# Altium PCB MainBoard V1.PcbDoc (continued)
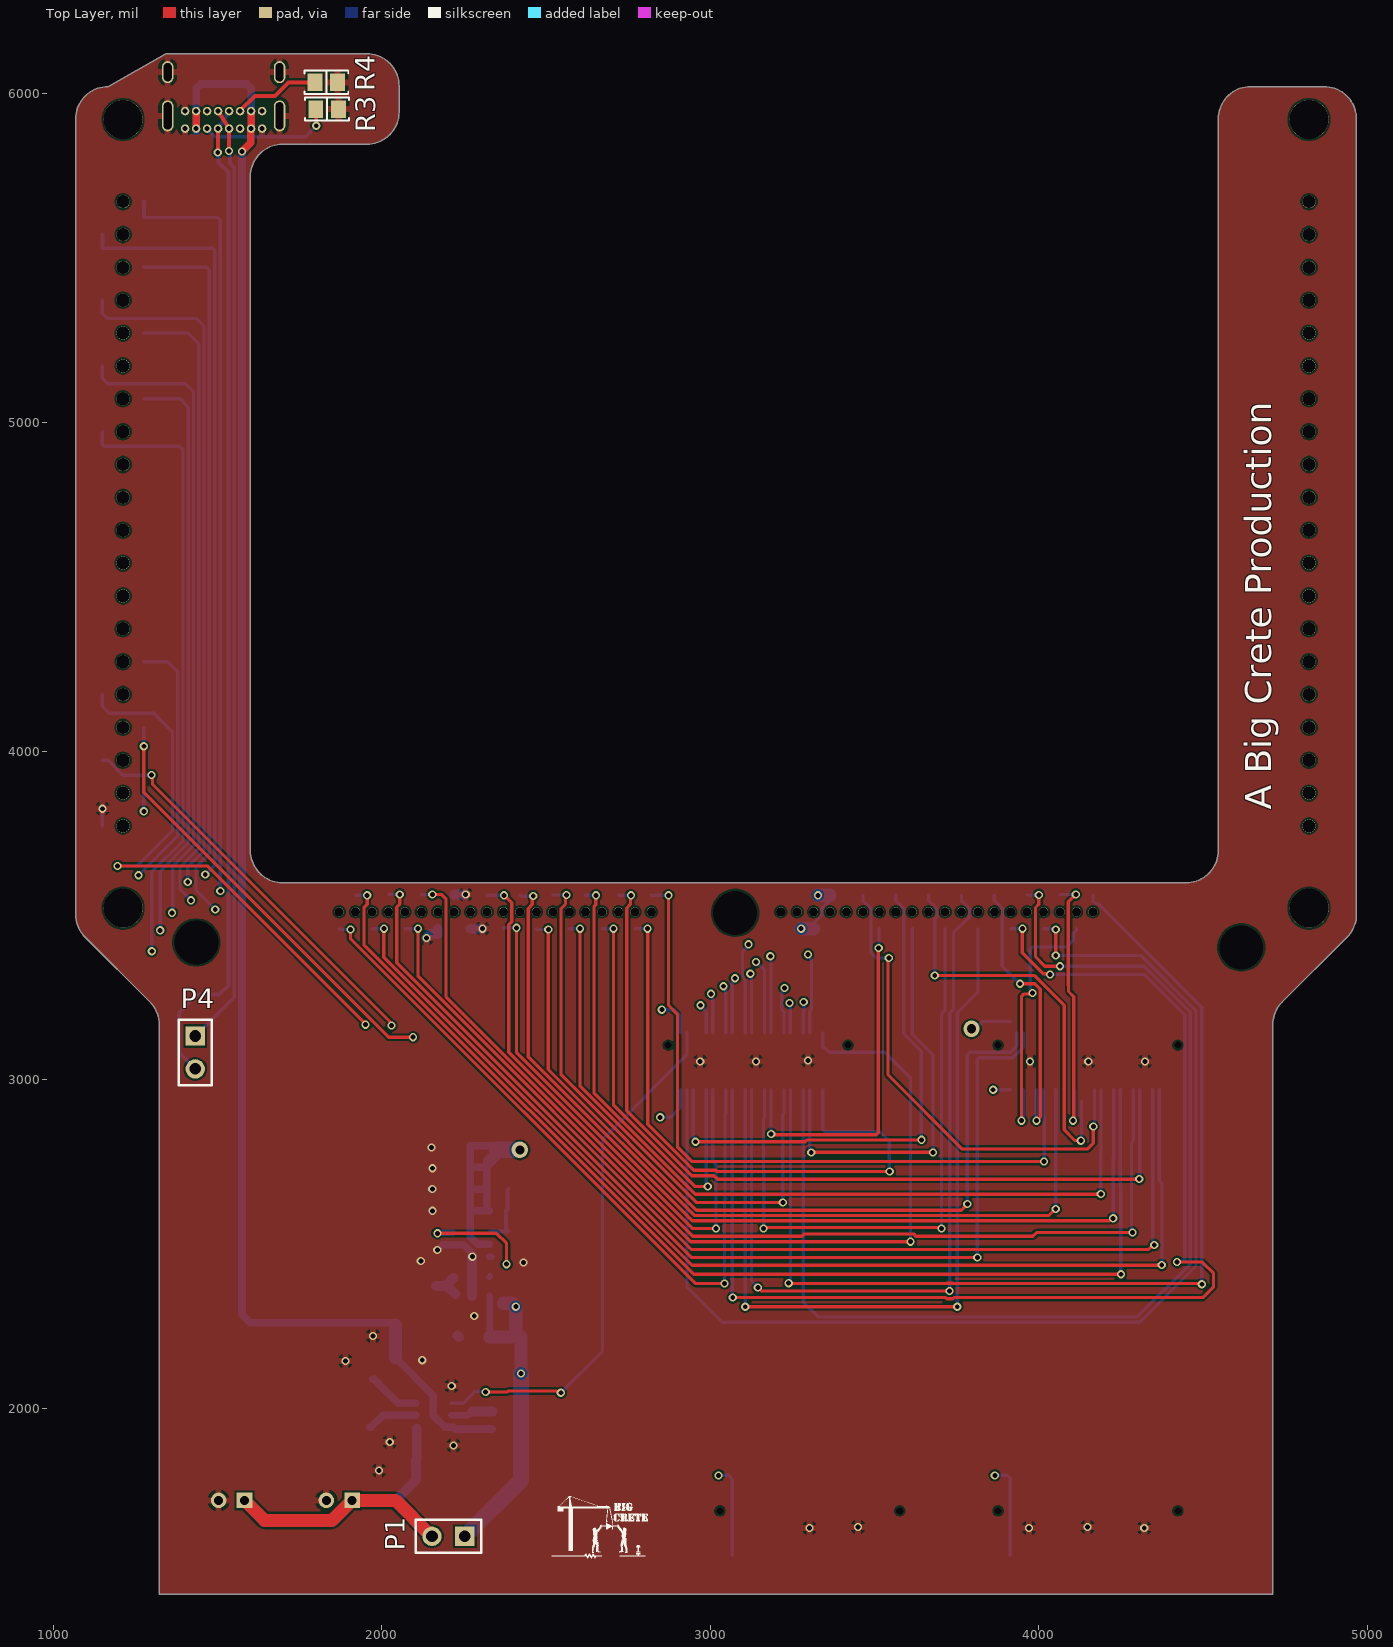
[diagram p0: Top Layer view]
## Footprints (in the part's own frame and the unit in brackets; to place one, negate y for a bottom-side part, rotate by r counter-clockwise, add the part's x,y. Pads: shape width x height; smd on the part's side, far side on the other; paste and mask are expansions set on the pad) (continued)
  silkscreen extent -25.4,-1.27 25.4,3.41, body extent -25.4,-2.27 25.4,2.3, height 7.47
SOT95P280X145-6N [mm] "SOT23, 6-Leads, Body 2.90x2.80mm, Pitch 0.95mm, IPC Medium Density"
  rect 1x0.6 smd: 1(-1.375,0.95) 2(-1.375,0) 3(-1.375,-0.95) 4(1.375,-0.95) 5(1.375,0) 6(1.375,0.95)
  silkscreen extent -1.5,-1.55 0.5,1.92, body extent -1.5,-1.53 1.5,1.53, height 1.45
SOT-23-6_RIT [mil]
  rect 37.5x24 smd paste+0 mask+0: 1(-54.25,37) 2(-54.25,0) 3(-54.25,-37) 4(54.25,-37) 5(54.25,0) 6(54.25,37)
  silkscreen extent -41,-66 41,66, body extent -59,-61 59,61, height 51

## Part data
C1 C2 C9: library part GRM188R61E106KA73J, "CAP CER 10UF 25V X5R 0603", Device Package="0603 (1608 Metric)", Manufacturer="Murata Electronics", Operating Temperature="-55°C ~ 85°C", Supplier Part Number 1=490-GRM188R61E106KA73JCT-ND, Temperature Coefficient=X5R, Tolerance=±10%, Voltage - Rated=25V, Applications="General Purpose", Capacitance="10 µF", ComponentLink1Description=Datasheet, ComponentLink1URL=https://search.murata.co.jp/Ceramy/image/img/A01X/G101/ENG/GRM188R61E106KA73-01A.pdf, ComponentLink2Description="DigiKey Link", ComponentLink2URL=https://www.digikey.com/en/products/detail/murata-electronics/GRM188R61E106KA73J/9887674, LastUpdated="2023-01-03 8:06:37 PM", Lifecycle Status=Active, Minimum Order=1, Mounting Type="Surface Mount, MLCC", Package / Case="0603 (1608 Metric)", Packaging=TapeAndReel, Part Number=GRM188R61E106KA73J, Part Status=Active, PartId=39529, Price=0.04, Series=GRM, Size / Dimension="0.063\" L x 0.031\" W (1.60mm x 0.80mm)", Supplier 1=DigiKey, Thickness (Max)="0.039\" (1.00mm)"
C3 C4 C5 C6 C7: library part CMP-2000-05441-1, "Chip Capacitor, 22 uF, +/- 20%, 10 V, -55 to 85 degC, 0603 (1608 Metric), RoHS, Tape and Reel", Capacitance=22µF, Manufacturer=TDK, Operating Temperature=-55degC~85degC, Package / Case=0603(1608Metric), Package Description="2-Pin Surface Mount Device, Body 1.6 x 0.8 mm", Package Reference=603, PCN Part Number=MLCCPartNumberChange30/Nov/2012, Ratings=-, Standard Package=1, Temperature Coefficient=X5R, Tolerance=±20%, Voltage - Rated=10V, Applications=GeneralPurpose, Category=Capacitors, Datasheet URL=http://download.siliconexpert.com/pdfs/2015/4/21/15/54/45/779/tdk_/manual/37024850441143360mlcc_commercial_general_en.pdf, Datasheet Version=Mar-15, Design Resources=20WNon-IsolatedBuckLEDDriverUsingPLLNK460KG, Family=CeramicCapacitors, Features=-, Height - Seated (Max)=-, Kits=445-9014-KIT-ND-KITMLCC100PF-22UF060310-50V, Lead Spacing=-, Lead Style=-, Manufacturer URL=http://www.tdk.com/, Mounting Type=SurfaceMount,MLCC, Online Catalog=CSeries,GeneralPurpose, Other Names=445-9077-1, Packaging=CutTape(CT), Product Training Modules=CSeriesGeneralApplicationsSEAT,CCV,andTVCLDesignToolsGuidetoReplacinganElectrolyticCapacitorwithanMLCC, RoHS Information=RoHSCertificate-MLCC, Series=C, Size / Dimension="0.063\"Lx0.031\"W(1.60mmx0.80mm)", Thickness (Max)="0.035\"(0.90mm)"
C8 C10: library part C1608X7R1C105K080AC, "CAP CER 1UF 16V X7R 0603", Device Package="0603 (1608 Metric)", Manufacturer="TDK Corporation", Operating Temperature="-55°C ~ 125°C", Supplier Part Number 1=445-1604-1-ND, Temperature Coefficient=X7R, Tolerance=±10%, Voltage - Rated=16V, Applications="General Purpose", Capacitance="1 µF", ComponentLink1Description=Datasheet, ComponentLink1URL=https://product.tdk.com/info/en/catalog/datasheets/mlcc_commercial_general_en.pdf?ref_disty=digikey, ComponentLink2Description="DigiKey Link", ComponentLink2URL=https://www.digikey.com/en/products/detail/tdk-corporation/C1608X7R1C105K080AC/634395, Features="Low ESL", LastUpdated="2023-01-03 8:06:54 PM", Lifecycle Status=Active, Minimum Order=1, Mounting Type="Surface Mount, MLCC", Package / Case="0603 (1608 Metric)", Packaging=TapeAndReel, Part Number=C1608X7R1C105K080AC, Part Status=Active, PartId=36324, Price=0.01, Series=C, Size / Dimension="0.063\" L x 0.031\" W (1.60mm x 0.80mm)", Supplier 1=DigiKey, Thickness (Max)="0.035\" (0.90mm)"
J1: library part CMP-196119-000001-2, "CONN RCPT USB2.0 TYPE C 24POS RA", Contact Material="Copper Alloy", Contact Plating=Gold, Gender=Receptacle, Number of Positions=16, Orientation="Right Angle", USB Standard="USB 2.0"
J6 J7: "M50-3132045", System=Connector
J8 J9: "20 Position Receptacle, Bottom Entry Connector 0.100 (2.54mm) Surface Mount Gold", Package=None, Check_prices=https://www.snapeda.com/parts/SSM-120-L-SV-BE/Samtec/view-part/2796009/?ref=eda, Digi-Key_Part_Number=612-SSM-120-L-SV-BE-K-TR-ND, MF=Samtec, MP=SSM-120-L-SV-BE, Purchase-URL=https://pricing.snapeda.com/search/part/SSM-120-L-SV-BE/?ref=eda, SnapEDA_Link=https://www.snapeda.com/parts/SSM-120-L-SV-BE/Samtec/view-part/2796009/?ref=snap
L1: library part CMP-11268-000073-1, "Inductor Power Shielded Wirewound 2.2uH 20% 1MHz Composite 8.7A 15mOhm DCR Automotive T/R"
P1: library part CMP-002-00141-1, "Header, 2-Pin", Component Type=Standard, Design Item ID="Header 2", LatestRevisionDate=17-Jul-2002, LatestRevisionNote="Re-released for DXP Platform.", Pins=2, Publisher="Altium Limited", Source="Miscellaneous Connectors.SchLib"
P2 P3: library part CMP-1755-00004-1, "Male Header, Pitch 2 mm, 1 x 2 Position, Height 4.8 mm, Tail Length 3.4 mm, -25 to 85 degC, RoHS, Bulk", Capacitance="10 uF", Case\Package=Radial, Max Operating Temperature="85 degC", Min Operating Temperature="-40 degC", Package Quantity=200, Tolerance=20%, Voltage Rating="50 V", ComponentLink1Description=Datasheet, ComponentLink1URL=http://www.jst-mfg.com/product/pdf/eng/ePH.pdf, DatasheetVersion=Dec-12, Diameter="5 mm", Height="11 mm", Lead Pitch="2 mm", Length="11 mm", Mount="Through Hole", PackageDescription="Male Header, Pitch 2 mm, 1 x 2 Position, Height 4.8 mm, Tail Length 3.4 mm", PackageReference=S2B-PH-K-S, Packaging=Bulk, Pins=2, Radiation Hardening=No, REACH SVHC="No SVHC", RoHSCompliant=true, Voltage Rating (DC)="50 V"
P4: "Header, 2-Pin", LatestRevisionDate=17-Jul-2002, LatestRevisionNote="Re-released for DXP Platform.", Publisher="Altium Limited"
R1: library part RC0603FR-07220KL, "RES 220K OHM 1% 1/10W 0603", Device Package="0603 (1608 Metric)", Manufacturer=Yageo, Operating Temperature="-55°C ~ 155°C", Power (Watts)="0.1W, 1/10W", Supplier Device Package=0603, Supplier Part Number 1=311-220KHRCT-ND, Temperature Coefficient=±100ppm/°C, Tolerance=±1%, ComponentLink1Description=Datasheet, ComponentLink1URL=https://www.yageo.com/upload/media/product/productsearch/datasheet/rchip/PYu-RC_Group_51_RoHS_L_10.pdf, ComponentLink2Description="DigiKey Link", ComponentLink2URL=https://www.digikey.com/en/products/detail/yageo/RC0603FR-07220KL/727062, Composition="Thick Film", Features="Moisture Resistant", Height - Seated (Max)="0.022\" (0.55mm)", LastUpdated="2023-01-02 8:29:28 PM", Lifecycle Status=Active, Minimum Order=1, Number of Terminations=2, Package / Case="0603 (1608 Metric)", Packaging=CutTape, Part Number=RC0603FR-07220KL, Part Status=Active, PartId=19015, Price=0.01, Resistance="220 kOhms", Series=RC_L, Size / Dimension="0.063\" L x 0.031\" W (1.60mm x 0.80mm)", Supplier 1=DigiKey
R2: library part RC0603FR-0724K3L, "RES 24.3K OHM 1% 1/10W 0603", Device Package="0603 (1608 Metric)", Manufacturer=Yageo, Operating Temperature="-55°C ~ 155°C", Power (Watts)="0.1W, 1/10W", Supplier Device Package=0603, Supplier Part Number 1=311-24.3KHRCT-ND, Temperature Coefficient=±100ppm/°C, Tolerance=±1%, ComponentLink1Description=Datasheet, ComponentLink1URL=https://www.yageo.com/upload/media/product/productsearch/datasheet/rchip/PYu-RC_Group_51_RoHS_L_10.pdf, ComponentLink2Description="DigiKey Link", ComponentLink2URL=https://www.digikey.com/en/products/detail/yageo/RC0603FR-0724K3L/727078, Composition="Thick Film", Features="Moisture Resistant", Height - Seated (Max)="0.022\" (0.55mm)", LastUpdated="2023-01-02 8:30:16 PM", Lifecycle Status=Active, Minimum Order=1, Number of Terminations=2, Package / Case="0603 (1608 Metric)", Packaging=CutTape, Part Number=RC0603FR-0724K3L, Part Status=Active, PartId=7644, Price=0.01, Resistance="24.3 kOhms", Series=RC_L, Size / Dimension="0.063\" L x 0.031\" W (1.60mm x 0.80mm)", Supplier 1=DigiKey
R3 R4: library part RC0805JR-075K1L, "RES 5.1K OHM 5% 1/8W 0805", Device Package="0805 (2012 Metric)", Manufacturer=Yageo, Operating Temperature="-55°C ~ 155°C", Power (Watts)="0.125W, 1/8W", Supplier Device Package=0805, Supplier Part Number 1=311-5.1KARCT-ND, Temperature Coefficient=±100ppm/°C, Tolerance=±5%, ComponentLink1Description=Datasheet, ComponentLink1URL=https://www.yageo.com/upload/media/product/productsearch/datasheet/rchip/PYu-RC_Group_51_RoHS_L_10.pdf, ComponentLink2Description="DigiKey Link", ComponentLink2URL=https://www.digikey.com/en/products/detail/yageo/RC0805JR-075K1L/728338, Composition="Thick Film", Features="Moisture Resistant", Height - Seated (Max)="0.024\" (0.60mm)", LastUpdated="2023-01-02 8:43:52 PM", Lifecycle Status=Active, Minimum Order=1, Number of Terminations=2, Package / Case="0805 (2012 Metric)", Packaging=CutTape, Part Number=RC0805JR-075K1L, Part Status=Active, PartId=41971, Price=0.01, Resistance="5.1 kOhms", Series=RC_L, Size / Dimension="0.079\" L x 0.049\" W (2.00mm x 1.25mm)", Supplier 1=DigiKey
R5: library part RC0805FR-07110KL, "RES 110K OHM 1% 1/8W 0805", Device Package="0805 (2012 Metric)", Manufacturer=Yageo, Operating Temperature="-55°C ~ 155°C", Power (Watts)="0.125W, 1/8W", Supplier Device Package=0805, Supplier Part Number 1=311-110KCRCT-ND, Temperature Coefficient=±100ppm/°C, Tolerance=±1%, ComponentLink1Description=Datasheet, ComponentLink1URL=https://www.yageo.com/upload/media/product/productsearch/datasheet/rchip/PYu-RC_Group_51_RoHS_L_10.pdf, ComponentLink2Description="DigiKey Link", ComponentLink2URL=https://www.digikey.com/en/products/detail/yageo/RC0805FR-07110KL/727560, Composition="Thick Film", Features="Moisture Resistant", Height - Seated (Max)="0.024\" (0.60mm)", LastUpdated="2023-01-02 8:44:02 PM", Lifecycle Status=Active, Minimum Order=1, Number of Terminations=2, Package / Case="0805 (2012 Metric)", Packaging=CutTape, Part Number=RC0805FR-07110KL, Part Status=Active, PartId=39573, Price=0.01, Resistance="110 kOhms", Series=RC_L, Size / Dimension="0.079\" L x 0.049\" W (2.00mm x 1.25mm)", Supplier 1=DigiKey
R6: library part RC0805FR-1315KL, "RES 15K OHM 1% 1/8W 0805", Device Package="0805 (2012 Metric)", Manufacturer=Yageo, Operating Temperature="-55°C ~ 155°C", Power (Watts)="0.125W, 1/8W", Supplier Device Package=0805, Supplier Part Number 1=13-RC0805FR-1315KLCT-ND, Temperature Coefficient=±100ppm/°C, Tolerance=±1%, ComponentLink1Description=Datasheet, ComponentLink1URL=https://www.yageo.com/upload/media/product/productsearch/datasheet/rchip/PYu-RC_Group_51_RoHS_L_11.pdf, ComponentLink2Description="DigiKey Link", ComponentLink2URL=https://www.digikey.com/en/products/detail/yageo/RC0805FR-1315KL/13694228, Composition="Thick Film", Features="Moisture Resistant", Height - Seated (Max)="0.024\" (0.60mm)", LastUpdated="2023-01-02 8:42:49 PM", Lifecycle Status=Active, Minimum Order=1, Number of Terminations=2, Package / Case="0805 (2012 Metric)", Packaging=CutTape, Part Number=RC0805FR-1315KL, Part Status=Active, PartId=66554, Price=0.01, Resistance="15 kOhms", Series=RC_L, Size / Dimension="0.079\" L x 0.049\" W (2.00mm x 1.25mm)", Supplier 1=DigiKey
TP1 TP2 TP3: library part CMP-1672-00008-1, "Test Point, 1 Position SMD, RoHS, Tape and Reel", Package Quantity=1000, ComponentLink1Description="Manufacturer URL", ComponentLink1URL=http://www.keyelco.com/, ComponentLink2Description=Datasheet, ComponentLink2URL=http://www.keyelco.com/product-pdf.cfm?p=1357, Contact Plating=Silver, DatasheetVersion=03/2014, Mount="Surface Mount", Mounting Technology="Surface Mount", PackageDescription="1-Pin Surface Mount Device, Body 3.81 x 2.03 mm", PackageReference=5019, Packaging="Tape and Reel", Pins=1, RoHSCompliant=True
U1: "No Description Available", Mfr_Name="Richtek Technology", Copyright="Copyright (C) 2023 Ultra Librarian. All rights reserved.", Digi-Key_Part_Number_1=1028-1359-2-ND, Digi-Key_Part_Number_2=1028-1359-1-ND, Digi-Key_Part_Number_3=1028-1359-6-ND, Manufacturer_Part_Number=RT9526AGE, RefDes=RefDes, Type=DEV

## Free pads (board coordinates)
  round 118.11 hole 118.11 unplated: 18(1213.02,3522.01) 18(1213.02,5922.01) 18(4822.02,3522.01) 18(4822.02,5922.01)
  round 60 hole 133.86 unplated: Pad1(4615.77,3402.52) Pad2(3075.77,3507.52) Pad3(1435.77,3417.52)

## Via types
v1: diameter 25, hole 15, Top Layer to Bottom Layer, tented both sides, 142 vias
v2: diameter 50, hole 28, Top Layer to Bottom Layer, tented both sides, 2 vias

## Nets (pads, with @x,y where several pads share a name; then routed paths per layer and width w, separated by ;. In a path a pad name is that pad's centre, name@x,y a point inside that pad or via, vN(x,y) a via of type N, cw(c..) or ccw(c..) an arc to the next point about the centre after c; other vN are vias at no path point)
+5: *.5 C3.2 C4.2 C5.2 C6.2 C7.2 J2.1 J2.50 J3.1 J3.50 J4.1 J4.50 J5.1 J5.50 J8.02 R1.2 TP3.1 | length 1971.6
  Bottom Layer w10: v1(1276.11,3816.59) J8.02 ; v1(2847.34,2885.44) 2880.36,2885.44 2909.12,2914.2 J2.1 ; v1(2852.42,3213.1) 2890.52,3213.1 2909.12,3194.5 J2.50 ; v1(3025.14,1795.78) 3055.62,1795.78 3066.6,1784.8 J4.50 J4.1 ; v2(3794.76,3154.68) 3805.58,3154.68 3827.62,3176.71 J3.50@3912.98,3176.71 ; v1(3860.8,2969.26) 3912.98,2969.26 3913.06,2969.18 J3.1 ; v1(3865.88,1795.78) 3903.98,1795.78 3913.06,1786.7 J5.50 J5.1
  Bottom Layer w23: *.5 2326.96,2498.97 2292.51,2498.97 2269.3,2522.19 C4.2 ; C4.2 R1.2 2327.08,2602.93 2319.21,2610.8 C3.2 ; C4.2 C6.2 ; C6.2 C3.2 ; C6.2 C7.2 ; C7.2 2319.13,2733.04 TP3.1@2319.21,2733.12 ; C7.2 C5.2 2337.43,2799.08 TP3.1 TP3.1@2350.14,2786.38 ; C3.2 TP3.1@2319.21,2733.12 ; TP3.1@2319.21,2733.12 2319.21,2755.46 TP3.1@2350.14,2786.38 ; TP3.1@2319.21,2733.12 2350.14,2764.04 TP3.1@2350.14,2786.38
  Bottom Layer w50: TP3.1@2350.14,2786.38 v2(2420.62,2786.38)
D0: J2.46 J8.13 | length 3692.9
  5V w10: v1(1300.48,3390.9) 1446.02,3245.36 2964.16,3245.36 2967.15,3242.37 2967.15,3229.43 v1(2970.02,3226.56)
  Bottom Layer w10: J8.13 1149.93,4933.46 1155.79,4927.6 1384.3,4927.6 1395.51,4916.39 1395.51,3727.23 1300.48,3632.2 v1(1300.48,3390.9) ; v1(2970.02,3226.56) 2987.78,3208.8 2987.78,3142.42 J2.46
D1: J2.45 J8.14 | length 3690.2
  5V w10: v1(1325.88,3454.4) 1325.88,3388.13 1452.65,3261.36 v1(3002.28,3261.36)
  Bottom Layer w10: J8.14 1386.48,5072.01 1411.51,5046.98 1411.51,3720.37 1325.88,3634.74 v1(1325.88,3454.4) ; v1(3002.28,3261.36) 3002.28,3257.3 3007.47,3252.11 3007.47,3142.42 J2.45
D2: J2.43 J8.15 | length 3941.7
  5V w10: v1(1361.44,3507.74) 1358.57,3504.87 1358.57,3495.11 1357.84,3494.38 1357.84,3378.79 1451.77,3284.86 3039.74,3284.86 v1(3040.38,3284.22)
  Bottom Layer w10: J8.15 1149.93,5134.03 1165.86,5118.1 1402.11,5118.1 1427.51,5092.7 1427.51,3713.51 1363.98,3649.98 1363.98,3510.28 v1(1361.44,3507.74) ; v1(3040.38,3284.22) 3040.38,3280.16 3046.92,3273.62 J2.43
D3: J2.42 J8.16 | length 3835.6
  5V w10: v1(1419.86,3545.84) 1656.08,3309.62 3073.96,3309.62 v1(3075,3308.58)
  Bottom Layer w10: J8.16 1411.52,5272.01 1443.51,5240.02 1443.51,3703.88 1386.2,3646.57 1386.2,3579.5 v1(1419.86,3545.84) ; J2.42 3066.6,3296.12 3075,3304.52 v1(3075,3308.58)
D4: J2.40 J8.17 | length 4225.9
  5V w10: v1(1409.7,3601.72) 1409.7,3637.28 1420.5,3648.08 1472.77,3648.08 1736.77,3384.08 3078.19,3384.08 3091.49,3397.38 3098.04,3397.38 3112.52,3411.86 v1(3116.58,3411.86)
  Bottom Layer w10: J8.17 1149.93,5332.15 1165.86,5316.22 1436.65,5316.22 1459.51,5293.36 1459.51,3697.25 1409.7,3647.44 v1(1409.7,3601.72) ; J2.40 3105.97,3304.77 3098.16,3312.59 3098.16,3391.39 3116.58,3409.81 v1(3116.58,3411.86)
D5: J2.39 J8.18 | length 4081.7
  5V w10: v1(1493.52,3517.9) 1680.05,3331.37 1796.28,3331.37 1798.03,3333.12 3090.75,3333.12 3098.68,3325.19 3118.79,3325.19 v1(3121.66,3322.32)
  Bottom Layer w10: J8.18 1467.04,5472.01 1475.51,5463.54 1475.51,3687.85 1435.1,3647.44 1435.1,3576.32 v1(1493.52,3517.9) ; v1(3121.66,3322.32) 3121.66,3318.26 3125.66,3314.26 J2.39
D6: J2.37 J8.19 | length 4340.6
  5V w10: v1(1463.04,3624.58) 1463.04,3589.02 1485.3,3566.76 1485.3,3564.13 1499.07,3550.37 1501.69,3550.37 1702.89,3349.17 3088.53,3349.17 3097.25,3357.88 v1(3139.44,3357.88)
  Bottom Layer w10: 1149.93,5530.27 1485.65,5530.27 1491.51,5524.41 1491.51,3652 1464.09,3624.58 v1(1463.04,3624.58) ; v1(3139.44,3357.88) 3165.03,3332.29 J2.37
  Bottom Layer w12: 1149.93,5530.27 J8.19
D7: J2.36 J8.20 | length 4328.4
  5V w10: v1(1508.8,3573.87) 1508.8,3571.24 1700.28,3379.76 1711.96,3368.08 3084.82,3368.08 3098.12,3381.38 3149.17,3381.38 3154.89,3375.66 v1(3182.62,3375.66)
  Bottom Layer w10: 1276.11,5625.07 1277.62,5623.56 1501.65,5623.56 1508.8,5616.41 v1(1508.8,3573.87) ; v1(3182.62,3375.66) 3184.64,3373.64 3184.64,3142.42 J2.36
  Bottom Layer w12: 1276.11,5625.07 J8.20
D+: J1.A6 J1.B6 P4.2 | length 3061
  Top Layer w12: v1(1501.14,5821.68) 1501.14,5891.71 1502.19,5892.75 J1.A6
  Bottom Layer w12: P4.2 1382.56,3082.76 1382.56,3203.74 1437.78,3258.96 1505.5,3258.96 1533.3,3286.76 1533.3,5761.58 1503.63,5791.25 1503.63,5819.19 v1(1501.14,5821.68) ; J1.A6 J1.B6
D-: J1.A7 J1.B7 P4.1 | length 2880.1
  Top Layer w12: J1.B7 J1.A7 v1(1535.65,5825.71)
  Bottom Layer w12: P4.1 1551.3,3251.5 1551.3,5775.96 1538.14,5789.12 1538.14,5823.22 v1(1535.65,5825.71)
GND: *.2 C1.2 C2.2 C4.1 C5.1 C6.1 C7.1 C8.1 C9.1 C10.1 J1.1 J1.2 J1.3 J1.4 J1.A1 J1.A12 J1.B1 J1.B12 J2.4 J2.10 J2.16 J2.22 J2.29 J2.35 J2.41 J2.47 J3.4 J3.10 J3.16 J3.22 J3.29 J3.35 J3.41 J3.47 J4.4 J4.10 J4.16 J4.22 J4.29 J4.35 J4.41 J4.47 J5.4 J5.10 J5.16 J5.22 J5.29 J5.35 J5.41 J5.47 J6.7 J6.8 J6.9 J7.1 J8.01 P2.2 P3.2 R2.1 R3.2 R4.2 R5.2 R6.2 U1.2 | length 564.8
  Bottom Layer w10: J8.01 v1(1149.93,3824.55)
  Bottom Layer w20: U1.2 2262.54,1978.66 2273.87,1989.99 C8.1
  Bottom Layer w22: v1(2169.16,2481.58) 2169.97,2481.58 2186.24,2497.85 2218.2,2497.85 *.2 2219.82,2497.85 2249.41,2497.85 2275.27,2471.99 2275.27,2461.83 v1(2275.84,2461.26)
  Bottom Layer w30: v1(2136.14,3431.54) 2147.52,3442.92 2170.24,3442.92 2170.67,3443.35 J6.7 ; J6.8 2220.67,3563.19 2221.1,3563.62 v1(2255.52,3563.62) ; J6.9 2270.73,3459.48 v1(2306.32,3459.48) ; C1.2 C2.2 2275.3,2460.72 v1(2275.84,2461.26) ; C8.1 C9.1
  other v1: 3302,1635.76 3970.02,1635.76 4320.54,1635.76 3449.32,1638.3 4147.82,1638.3 1991.36,1811.02 2218.9,1886.37 2024.38,1897.38 2212.97,2067.56 1889.76,2143.76 2123.44,2146.3 1973.58,2219.96 2281.55,2280.92 2431.41,2443.48 2118.99,2448.56 2154.55,2600.96 2153.92,2667 2154.55,2730.5 2151.38,2794 2969.26,3055.62 3139.44,3055.62 3972.56,3055.62 4150.36,3055.62 4323.08,3055.62 3296.92,3058.16
HS0: J3.49 J6.14 | length 2667.1
  Top Layer w10: v1(2562.16,3561.78) 2559.29,3558.91 2559.29,3534.29 2545.89,3520.89 2545.89,3014.64 2957.67,2602.86 3763.64,2602.86 v1(3782.06,2621.28)
  Bottom Layer w10: J6.14@2521.37,3561.08 J6.14 v1(2562.16,3561.78) ; v1(3782.06,2621.28) 3782.06,3075.94 3789.23,3083.11 3913.68,3083.11 3932.67,3102.1 J3.49 J3.49
HS1: J3.48 J6.4 | length 3185.7
  Top Layer w10: v1(2054.86,3563.62) 2054.86,3534.43 2045.89,3525.46 2045.89,3356.24 2943.41,2458.72 v1(3812.54,2458.72)
  Bottom Layer w10: J6.4 2022.51,3563.62 v1(2054.86,3563.62) ; v1(3812.54,2458.72) 3812.54,3061.26 3818.4,3067.11 3920.31,3067.11 3952.35,3099.16 J3.48 J3.48
HS2: J3.24 J6.3 | length 3415.7
  Top Layer w10: v1(2006.6,3459.48) 2006.6,3372.91 2944.29,2435.22 4370.7,2435.22 4371.34,2435.86 v1(4373.88,2435.86)
  Bottom Layer w10: J6.3 1970.73,3459.48 v1(2006.6,3459.48) ; J3.24@4365.9,2969.04 J3.24 4365.82,2693.16 4374.52,2684.45 4374.52,2436.5 v1(4373.88,2435.86)
HS3: J3.23 J6.5 | length 3249.8
  Top Layer w10: v1(2110.74,3459.48) 2110.74,3314.02 2941.28,2483.48 4333.62,2483.48 4346.96,2496.82 v1(4351.02,2496.82)
  Bottom Layer w10: J6.5 2070.73,3459.48 v1(2110.74,3459.48) ; J3.23@4346.21,2969.04 J3.23 4346.13,2505.77 4351.02,2500.88 v1(4351.02,2496.82)
HS4: J3.21 J6.18 | length 2617.4
  Top Layer w10: v1(2758.44,3561.08) 2757.07,3559.71 2757.07,3533.58 2745.89,3522.4 2745.89,2905.14 2943.39,2707.64 3011.24,2707.64 3022.04,2696.84 4304.66,2696.84 v1(4305.3,2697.48)
  Bottom Layer w10: J6.18 2721.37,3561.08 v1(2758.44,3561.08) ; v1(4305.3,2697.48) 4306.76,2698.94 J3.21
HS5: J2.28 J6.6 | length 2946.6
  Top Layer w10: v1(2153.92,3563.62) 2180.9,3563.62 2195.89,3548.63 2195.89,3251.5 2940.41,2506.98 v1(3609.34,2506.98)
  Bottom Layer w10: J6.6 2122.51,3563.62 v1(2153.92,3563.62) ; J2.28 3342.27,3142.26 3342.27,3102.1 3361.26,3083.11 3531.05,3083.11 3609.34,3004.82 v1(3609.34,2506.98)
LCD_CD: J2.33 J8.04 | length 2650.1
  Top Layer w10: v1(1276.11,4014.71) 1276.11,3875.01 2021.84,3129.28 v1(2095.5,3129.28)
  5V w10: v1(2095.5,3129.28) 3208.02,3129.28 3243.77,3165.03 3243.77,3230.69 v1(3241.04,3233.42)
  Bottom Layer w10: v1(1276.11,4014.71) J8.04 ; v1(3241.04,3233.42) 3243.69,3230.77 3243.69,3142.42 J2.33
LCD_CS: J2.34 J8.03 | length 2661
  Top Layer w10: v1(1299.61,3926.84) 1302.48,3923.97 1302.48,3899.44 2029.46,3172.46 v1(2029.46,3164.84)
  5V w10: v1(2029.46,3164.84) 3182.62,3164.84 3204.21,3186.43 3204.21,3257.55 v1(3225.8,3279.14)
  Bottom Layer w10: J8.03 1167.35,3972.01 1212.53,3926.84 v1(1299.61,3926.84) ; J2.34 3224.08,3206.62 3217.54,3213.17 3217.54,3266.82 3225.8,3275.08 v1(3225.8,3279.14)
LCD_RD: J2.30 J8.06 | length 3231.2
  5V w10: v1(1259.84,3622.04) 1346.2,3622.04 1388.24,3664.08 1483.36,3664.08 1747.36,3400.08 3071.57,3400.08 3106.85,3435.36 3181.34,3435.36 3235.96,3380.74 v1(3296.92,3380.74)
  Bottom Layer w10: v1(1259.84,3622.04) 1379.51,3741.71 1379.51,4241.8 1349.3,4272.01 J8.06 ; v1(3296.92,3380.74) 3296.92,3376.68 3307.72,3365.88 3307.72,3213.61 3302.82,3208.72 J2.30
LCD_WR: J2.31 J8.05 | length 3515.1
  Top Layer w10: v1(1196.34,3649.98) 1470.87,3649.98 1950.61,3170.24 v1(1950.61,3167.27)
  5V w10: v1(1950.61,3167.27) 2087.67,3030.22 3334.24,3030.22 3340.1,3036.08 3340.1,3098.8 3284.22,3154.68 v1(3284.22,3235.96)
  Bottom Layer w10: J8.05 1149.93,4135.81 1170.94,4114.8 1306.46,4114.8 1363.51,4057.75 1363.51,3758.73 1254.76,3649.98 v1(1196.34,3649.98) ; J2.31 3283.14,3202.29 3284.22,3203.37 v1(3284.22,3235.96)
LS0: J2.18 J7.20 | length 3176.1
  Top Layer w10: v1(3238.5,2380.62) 3239.14,2379.98 3718.35,2379.98 3718.99,2380.62 3738.45,2380.62 3739.09,2379.98 4493.26,2379.98 v1(4495.8,2377.44)
  Bottom Layer w10: v1(3238.5,2380.62) 3238.5,2384.04 3244.22,2389.76 3244.22,2775.5 3243.77,2775.95 J2.18 ; J7.20 4164.37,3544.85 4173.94,3535.28 4181.24,3535.28 4495.8,3220.72 v1(4495.8,2377.44)
LS1: J2.20 J7.16 | length 3443.6
  Top Layer w10: v1(3999.8,3561.78) 3999.8,3534.13 3989.59,3523.92 3989.59,3373.87 4018.28,3345.18 v1(4064,3345.18)
  Bottom Layer w10: J2.20 3283.14,2322.64 3327.92,2277.86 3740.9,2277.86 3768.81,2277.86 4299.7,2277.86 4460.24,2438.4 4460.24,3088.78 4460.73,3089.27 4460.73,3120.61 4460.24,3121.1 4460.24,3204.72 4319.78,3345.18 v1(4064,3345.18) ; J7.16 v1(3999.8,3561.78)
LS2: J2.21 J7.9 | length 1269.9
  Top Layer w10: v1(3307.08,2778.76) v1(3677.92,2778.76)
  Bottom Layer w10: J2.21 3302.82,2787.07 3307.08,2782.82 v1(3307.08,2778.76) ; J7.9 3614.37,3137.61 3677.92,3074.07 v1(3677.92,2778.76)
LS3: J2.23 J6.19 | length 1861.1
  Top Layer w10: v1(2809.24,3459.48) 2809.24,2864.42 2948.98,2724.68 3016.83,2724.68 3021.16,2720.34 v1(3545.84,2720.34)
  Bottom Layer w10: J6.19 2770.73,3459.48 v1(2809.24,3459.48) ; J2.23 3342.19,2848.12 3348.05,2842.26 3515.36,2842.26 3544.24,2813.38 3544.24,2721.94 v1(3545.84,2720.34)
LS4: J3.20 J6.10 | length 3120.5
  Top Layer w10: v1(2372.36,3561.08) 2395.45,3537.99 2395.45,3480.24 2386.96,3471.75 2386.96,3083.06 2946.16,2523.86 3279.3,2523.86 3285.92,2530.48 3619.07,2530.48 3625.69,2523.86 3981.72,2523.86 3992.78,2534.92 v1(4284.98,2534.92)
  Bottom Layer w10: J6.10 2321.37,3561.08 v1(2372.36,3561.08) ; v1(4284.98,2534.92) 4284.98,2538.98 4281.8,2542.16 4281.8,2808.65 4287.08,2813.92 J3.20
LS5: J3.3 J7.19 | length 829.2
  Top Layer w10: v1(3947.16,2875.28) 3947.16,3253.74 3954.45,3261.03 3977.31,3261.03 v1(3980.18,3263.9)
  Bottom Layer w10: v1(3947.16,2875.28) 3947.16,2879.34 3952.43,2884.61 J3.3 ; v1(3980.18,3263.9) 3980.18,3267.96 3973.94,3274.2 3973.94,3397.74 3979.8,3403.6 4084.32,3403.6 4104.8,3424.08 4104.8,3427.06 4104.8,3445.35 4114.37,3454.91 J7.19
LS6: J3.5 J7.14 | length 870.3
  Top Layer w10: v1(3942.08,3291.84) 3987.39,3291.84 4003.68,3275.55 4003.68,2886.08 v1(3992.88,2875.28)
  Bottom Layer w10: J7.14 3864.37,3544.85 3873.94,3535.28 3874.73,3535.28 3889.15,3520.86 3889.15,3495.82 3888.8,3495.47 3888.8,3345.12 v1(3942.08,3291.84) ; J3.5 3991.8,2876.36 v1(3992.88,2875.28)
LS7: J3.6 J6.20 | length 2183.6
  Top Layer w10: v1(2872.74,3561.08) 2872.74,3226.01 2900.04,3198.71 2900.04,2796.25 2945.47,2750.82 v1(4015.74,2750.82)
  Bottom Layer w10: J6.20 2821.37,3561.08 v1(2872.74,3561.08) ; J3.6 4011.49,2889.91 4016.38,2885.01 4016.38,2751.46 v1(4015.74,2750.82)
LS8: J3.8 J6.13 | length 2562.8
  Top Layer w10: v1(2506.98,3456.94) 2506.98,3030.92 2951.04,2586.86 4030.7,2586.86 4049.88,2606.04 v1(4051.3,2606.04)
  Bottom Layer w10: J6.13 2473.15,3456.94 v1(2506.98,3456.94) ; J3.8 4050.86,2774.12 4051.3,2773.67 v1(4051.3,2606.04)
LS9: J3.18 J6.2 | length 3470.5
  Top Layer w10: v1(1955.8,3561.08) 1955.75,3561.03 1955.75,3533.58 1945.89,3523.72 1945.89,3410.99 2948.96,2407.92 v1(4249.42,2407.92)
  Bottom Layer w10: J6.2@1920.67,3561.78 1921.37,3561.08 v1(1955.8,3561.08) ; J3.18 4247.71,2675.69 4249.42,2673.98 v1(4249.42,2407.92)
LS10: J3.11 J7.18 | length 850.4
  Top Layer w10: v1(4104,2875.28) 4106.1,2877.38 4106.1,3252.28 4090.04,3268.34 4090.04,3286.33 4089.59,3286.78 4089.59,3540.95 v1(4112.26,3563.62)
  Bottom Layer w10: J7.18 4066.21,3563.62 v1(4112.26,3563.62) ; v1(4104,2875.28) 4106.87,2878.15 4106.87,2885.6 4109.91,2888.64 J3.11
LS11: J3.12 J7.10 | length 1253.6
  Top Layer w10: v1(3683,3317.24) 3985.3,3317.24 4076.7,3225.84 4076.7,2847.34 4109.16,2814.88 4126.94,2814.88 v1(4127.5,2814.32)
  Bottom Layer w10: J7.10 3664.37,3544.85 3673.94,3535.28 3674.73,3535.28 3689.15,3520.86 3689.15,3495.82 3683,3489.67 v1(3683,3317.24) ; v1(4127.5,2814.32) 4129.52,2816.34 J3.12@4129.52,2934.74
LS12: J3.14@4168.97,2969.11 J7.6 | length 1493.3
  Top Layer w10: v1(3543.3,3370.58) 3540.76,3368.04 3540.76,3014.98 3766.82,2788.92 4147.82,2788.92 4165.6,2806.7 v1(4165.6,2857.5)
  Bottom Layer w10: J7.6 3464.37,3544.85 3473.94,3535.28 3474.73,3535.28 3489.15,3520.86 3489.15,3495.82 3488.8,3495.47 3488.8,3386.98 3505.2,3370.58 v1(3543.3,3370.58) ; v1(4165.6,2857.5) 4165.6,2861.56 4168.97,2864.93 J3.14@4168.97,2969.11
LS13: J3.15 J6.16 | length 2623.5
  Top Layer w10: v1(2651.76,3561.08) 2651.76,3531.61 2645.89,3525.74 2645.89,2959.89 2954.66,2651.12 4187.82,2651.12 v1(4188.46,2651.76)
  Bottom Layer w10: J6.16 2621.37,3561.08 v1(2651.76,3561.08) ; v1(4188.46,2651.76) 4188.46,2774.56 4189.1,2775.2 4189.1,2891.07 4188.65,2891.52 J3.15
LS14: J3.17 J6.12 | length 2918.9
  Top Layer w10: v1(2461.26,3558.54) 2458.39,3555.67 2458.39,3533.36 2445.89,3520.86 2445.89,3069.38 2944.41,2570.86 4214.62,2570.86 4221.86,2578.1 v1(4225.92,2578.1)
  Bottom Layer w10: J6.12 2423.91,3558.54 v1(2461.26,3558.54) ; v1(4225.92,2578.1) 4226.56,2578.74 4226.56,2759.2 4228.02,2760.66 J3.17
Net*_1: *.1 L1.1 TP2.1 | length 111.5
  Bottom Layer w30: TP2.1 TP2.1@2194.05,2372.36 ; TP2.1@2219.01,2397.32 TP2.1@2194.05,2372.36 ; TP2.1@2224.52,2347.4 2199.56,2372.36 TP2.1@2194.05,2372.36 ; L1.1@2230.61,2221.71 L1.1
Net*_4: *.4 C3.1 R1.1 R2.2 | length 193.3
  Bottom Layer w12: *.4 2329.34,2538.13 2383.63,2538.13 R2.2 2378.27,2547.62 R1.1 2382.2,2604.9 2382.2,2663.06 C3.1
NetJ1_A5: J1.A5 R3.1 | length 408.6
  Top Layer w12: R3.1 1800.86,5952.33 v1(1800.86,5902.96)
  Bottom Layer w12: J1.A5 1468.72,5892.75 1491.92,5869.56 1767.46,5869.56 v1(1800.86,5902.96)
NetJ1_B5: J1.B5 R4.1 | length 265
  Top Layer w12: J1.B5 1569.12,5949.11 1613.9,5993.89 1674.85,5993.89 1716,6035.04 R4.1
NetR5_1: R5.1 U1.6 | length 160.5
  Bottom Layer w23: R5.1 1977.52,2088.99 1988.65,2077.85 1988.65,2076.88 2049.87,2015.66 U1.6
NetR6_1: R6.1 U1.5 | length 154.9
  Bottom Layer w23: R6.1 1967.36,1941.99 2004.03,1978.66 U1.5
PG: J2.49 U1.1 | length 1606
  Top Layer w10: v1(2316.48,2049.78) 2382.52,2049.78 2385.06,2052.32 2531.72,2052.32 2533.93,2050.11 2542.21,2050.11 v1(2545.08,2047.24)
  Bottom Layer w10: U1.1 2248.55,2015.66 2283.98,2051.09 2315.17,2051.09 v1(2316.48,2049.78) ; v1(2545.08,2047.24) 2672.08,2174.24 2672.08,2819.4 2928.81,3076.13 J2.49 J2.49@2928.73,3142.42
SWH0: J2.17 J6.15 | length 1620.9
  Top Layer w10: v1(2603.5,3459.48) 2603.5,2979.65 2956.79,2626.36 v1(3220.72,2626.36)
  Bottom Layer w10: J6.15 2570.73,3459.48 v1(2603.5,3459.48) ; v1(3220.72,2626.36) 3220.72,2763.51 3220.08,2764.15 3220.08,2894.37 3224.08,2898.38 J2.17
SWH1: J2.15 J7.7 | length 1086.5
  Top Layer w10: v1(3185.16,2834.64) 3187.7,2832.1 3504.62,2832.1 3511.24,2838.72 3511.24,3399.99 v1(3512.3,3401.06)
  Bottom Layer w10: J2.15 3184.71,2835.09 v1(3185.16,2834.64) ; v1(3512.3,3401.06) 3513.34,3402.09 3513.34,3458.38 J7.7
SWH2: J2.14@3165.03,2969.11 J7.11 | length 1883.3
  Top Layer w10: v1(3162.3,2547.36) 3164.97,2550.03 3700.65,2550.03 v1(3703.32,2547.36)
  Bottom Layer w10: v1(3162.3,2547.36) 3162.3,2718.58 3161.66,2719.22 3161.66,2878.18 3165.03,2881.55 J2.14@3165.03,2969.11 ; v1(3703.32,2547.36) 3703.32,3199.93 3714.37,3210.99 J7.11
SWH3: J2.12 J7.12 | length 2441.8
  Top Layer w10: v1(3144.52,2367.28) 3154.68,2357.12 v1(3728.08,2357.12)
  Bottom Layer w10: J2.12@3125.74,2969.04 J2.12 3125.66,2387.31 3144.52,2368.45 v1(3144.52,2367.28) ; v1@3730.62,2354.58 v1(3728.08,2357.12) 3728.72,2357.76 3728.72,3202.71 3739.94,3213.92 3739.94,3446.6 3789.15,3495.82 3789.15,3520.86 3774.73,3535.28 3773.94,3535.28 3764.37,3544.85 J7.12
SWH4: J2.11 J7.13 | length 2482.2
  Top Layer w10: v1(3106.42,2308.86) v1(3751.58,2308.86)
  Bottom Layer w10: J2.11 3105.97,2625.53 3106.42,2625.08 v1(3106.42,2308.86) ; v1(3751.58,2308.86) 3751.58,3202.94 3814.37,3265.73 J7.13
SWH5: J2.9 J7.15 | length 3733.1
  Top Layer w10: v1(3068.32,2336.8) 3715.81,2336.8 3718.99,2333.62 3738.45,2333.62 3741.63,2336.8 4498.34,2336.8 4531.36,2369.82 4531.36,2410.46 4496.79,2445.03 v1(4420.59,2445.03) ; v1(3949.64,3459.42) 3949.64,3385.65 4012.64,3322.65 4030.65,3322.65 v1(4033.52,3319.78)
  Bottom Layer w10: J2.9 3066.68,2969.04 3066.68,2338.44 v1(3068.32,2336.8) ; J7.15 v1(3949.64,3459.42) ; v1(4033.52,3319.78) 4322.55,3319.78 4444.24,3198.09 4444.24,3114.47 4444.73,3113.98 4444.73,3095.9 4444.24,3095.41 4444.24,2450.89 4441.25,2447.9 4423.46,2447.9 v1(4420.59,2445.03)
SWL0: J2.2 J7.17 | length 3654
  Top Layer w10: v1(4051.3,3378.2) v1(4051.3,3456.94)
  Bottom Layer w10: J2.2 2928.81,2369.63 3036.58,2261.86 4306.56,2261.86 4478.02,2433.32 4478.02,3209.8 4309.62,3378.2 v1(4051.3,3378.2) ; J7.17 4048.82,3459.42 v1(4051.3,3456.94)
SWL1: J2.3 J7.8 | length 1628.6
  Top Layer w10: v1(2954.66,2811.14) 3288.54,2811.14 3293.5,2816.1 3641.6,2816.1 v1(3642.36,2816.86)
  Bottom Layer w10: J2.3 2948.49,2821.37 2954.66,2815.2 v1(2954.66,2811.14) ; J7.8 3564.37,3544.85 3573.94,3535.28 3574.73,3535.28 3589.15,3520.86 3589.15,3495.82 3588.8,3495.47 3588.8,3140.55 3642.36,3087 v1(3642.36,2816.86)
SWL2: J2.5 J6.17 | length 1256.9
  Top Layer w10: v1(2705.1,3459.48) 2705.1,2923.31 2953.79,2674.62 v1(2992.12,2674.62)
  Bottom Layer w10: J6.17 2670.73,3459.48 v1(2705.1,3459.48) ; J2.5 2987.86,2682.94 2992.12,2678.68 v1(2992.12,2674.62)
SWL3: J2.6 J6.11 | length 1675.2
  Top Layer w10: v1(2410.46,3462.02) 2410.46,3082.18 2945.28,2547.36 v1(3017.52,2547.36)
  Bottom Layer w10: J6.11 2373.27,3462.02 v1(2410.46,3462.02) ; J2.6 3007.55,2751.73 3017.52,2741.76 v1(3017.52,2547.36)
SWL4: J2.8 J6.1 | length 2229.1
  Top Layer w10: v1(1905,3456.94) 1905,3429.25 2954.27,2379.98 v1(3043.1,2379.98)
  Bottom Layer w10: J6.1@1870.67,3459.42 1873.15,3456.94 v1(1905,3456.94) ; v1(3043.1,2379.98) 3043.1,2633.36 3048,2638.26 3044.82,2641.44 3044.82,2892.78 3046.92,2894.88 J2.8
USB_5V: C8.2 C9.2 J1.A4 J1.A9 J1.B4 J1.B9 U1.3 | length 5160.2
  Top Layer w23: J1.A4 J1.B9 ; v1(1574.8,5824.22) 1602.09,5851.51 1602.09,5893.86 J1.A9 J1.B4
  Bottom Layer w23: J1.A4@1435.75,5884.48 1435.75,5893.86 J1.A4 J1.B9 1435.26,6016.49 1448.73,6029.96 1589.11,6029.96 1602.58,6016.49 J1.B4 J1.A9 ; v1(1574.8,5824.22) 1574.8,2286 1600.2,2260.6 2034.54,2260.6 2042.16,2252.98 ; 2042.16,2153.92 2157.37,2038.71 2157.37,1977.41 2192.62,1942.16 2217.87,1942.16 2223.18,1936.85 C8.2 C9.2 C9.2@2336.31,1937.34
  Bottom Layer w40: 2042.16,2153.92 2042.16,2252.98
Vbatt: *.3 *.6 C1.1 C2.1 J7.3 J7.4 L1.2 P1.1 TP1.1 | length 1588.4
  Top Layer w10: v1(2169.8,2532.38) 2349.21,2532.38 2379.98,2501.61 v1(2379.98,2438.4)
  Bottom Layer w10: v1(2169.8,2532.38) v1@2171.64,2534.22 ; *.3@2217.17,2534.22 *.3 ; J7.3 3314.37,3476.35 3323.94,3485.91 3324.73,3485.91 3339.37,3500.55 3339.37,3520.64 3354.01,3535.28 3354.8,3535.28 3364.37,3544.85 J7.4
  Bottom Layer w20: v1@2171.64,2534.22 *.3@2217.17,2534.22 ; C2.1@2327.86,2400.89 C2.1 C2.1@2328.45,2402.27 ; *.6@2327.86,2460.67 *.6 *.6@2335.15,2461.26 ; L1.2 2328.33,2217.54 2328.33,2341.76 C1.1 ; v1@2379.02,2437.44 v1(2379.98,2438.4) v1@2379.02,2439.36
  Bottom Layer w40: L1.2 TP1.1 ; 2370.45,2319.66 2397.63,2319.66 v1(2408.11,2309.18) 2408.11,2233.1 TP1.1 ; v1(2423.8,2105.66) TP1.1 ; v1(3276.6,3459.48) 3314.31,3459.48 J7.3 ; v1(3327.4,3561.08) 3363.67,3561.08 J7.4
  Bottom Layer w50: P1.1 2423.8,1781.17 v1(2423.8,2105.66)
Vbatt_raw: C10.2 P1.2 P2.1 P3.1 U1.4 | length 1579.7
  Top Layer w40: P2.1 1643.38,1658.62 1849.12,1658.62 P3.1 2042.16,1719.58 2151.38,1610.36 P1.2
  Bottom Layer w30: 2042.16,1719.58 2104.12,1781.54 2104.12,1841.32 C10.2 U1.4@2106.83,1938.66 ; P1.2@2152.11,1611.23 P1.2
  Bottom Layer w40: P2.1 1643.38,1658.62 1849.12,1658.62 P3.1 2042.16,1719.58 2151.38,1610.36 P1.2
pads on no net: J1.A8 J1.B8 J2.7 J2.13 J2.14@2871.72,3104.94 J2.14@3418.97,3104.94 J2.19 J2.24 J2.25 J2.26 J2.27 J2.32 J2.38 J2.44 J2.48 J3.2 J3.7 J3.9 J3.13 J3.14@3875.66,3104.94 J3.14@4422.9,3104.94 J3.19 J3.25 J3.26 J3.27 J3.28 J3.30 J3.31 J3.32 J3.33 J3.34 J3.36 J3.37 J3.38 J3.39 J3.40 J3.42 J3.43 J3.44 J3.45 J3.46 J4.2 J4.3 J4.5 J4.6 J4.7 J4.8 J4.9 J4.11 J4.12 J4.13 J4.14 J4.15 J4.17 J4.18 J4.19 J4.20 J4.21 J4.23 J4.24 J4.25 J4.26 J4.27 J4.28 J4.30 J4.31 J4.32 J4.33 J4.34 J4.36 J4.37 J4.38 J4.39 J4.40 J4.42 J4.43 J4.44 J4.45 J4.46 J4.48 J4.49 J5.2 J5.3 J5.5 J5.6 J5.7 J5.8 J5.9 J5.11 J5.12 J5.13 J5.14 J5.15 J5.17 J5.18 J5.19 J5.20 J5.21 J5.23 J5.24 J5.25 J5.26 J5.27 J5.28 J5.30 J5.31 J5.32 J5.33 J5.34 J5.36 J5.37 J5.38 J5.39 J5.40 J5.42 J5.43 J5.44 J5.45 J5.46 J5.48 J5.49 J6. J7. J7.2 J7.5 J8. J8.07 J8.08 J8.09 J8.10 J8.11 J8.12 J9. J9.01 J9.02 J9.03 J9.04 J9.05 J9.06 J9.07 J9.08 J9.09 J9.10 J9.11 J9.12 J9.13 J9.14 J9.15 J9.16 J9.17 J9.18 J9.19 J9.20

## Polygon pours and split planes (outlines as drawn)
GND on Bottom Layer "GND_L04_P012" (solid, pour order 12): 1323.72,3166.44 ccw(c1225.3,3166.44) 1294.9,3236.04 1097.53,3433.41 cw(c1167.13,3503.01) 1068.7,3503 1068.7,5923.59 cw(c1167.13,5923.59) 1167.13,6022.01 1344.29,6122.3 1954.53,6122.3 cw(c1954.53,6023.87) 2052.95,6023.87 2052.95,5945.13 cw(c1954.53,5945.13) 1954.53,5846.71 1698.62,5846.71 ccw(c1698.62,5748.28) 1600.2,5748.28 1600.2,3697.61 ccw(c1698.62,3697.61) 1698.62,3599.18 4447.47,3599.18 ccw(c4447.47,3697.61) 4545.9,3697.61 4545.9,5923.59 cw(c4644.32,5923.59) 4644.32,6022.01 4867.91,6022.01 cw(c4867.91,5923.59) 4966.34,5923.59 4966.34,3503 cw(c4867.91,3503.01) 4937.51,3433.41 4740.14,3236.04 ccw(c4809.74,3166.44) 4711.32,3166.44 4711.32,1433.83 1323.72,1433.83
Net*_1 on Bottom Layer "NONET_L-01_P-001" (solid, pour order 6): 2237.74,2471.42 2199.64,2471.42 2138.68,2410.46 2138.68,2227.58 2214.88,2151.38 2252.98,2151.38 2252.98,2283.46 2239.72,2296.72 2239.72,2412.32
+5 on Bottom Layer "NONET_L-01_P-001" (solid, pour order 11): 2341.88,2583.18 2258.06,2583.18 2258.06,2819.4 2302.58,2863.92 2307.63,2863.92 2307.63,2739.35 2331.72,2715.26 2331.72,2628.9 2341.88,2618.74
Vbatt on Bottom Layer "NONET_L-01_P-001" (solid, pour order 9): 2346.96,2471.42 2308.86,2471.42 2308.86,2423.16 2311.4,2420.62 2311.4,2286 2308.86,2283.46 2308.86,2143.76 2395.22,2143.76 2395.22,2410.46 2395.22,2428.24 2395.22,2451.1
Vbatt on GND "VBATT_L03_P013" (solid, pour order 13): 1323.72,3166.44 ccw(c1225.3,3166.44) 1294.9,3236.04 1097.53,3433.41 cw(c1167.13,3503.01) 1068.7,3503 1068.7,5923.59 cw(c1167.13,5923.59) 1167.13,6022.01 1344.29,6122.3 1954.53,6122.3 cw(c1954.53,6023.87) 2052.95,6023.87 2052.95,5945.13 cw(c1954.53,5945.13) 1954.53,5846.71 1698.62,5846.71 ccw(c1698.62,5748.28) 1600.2,5748.28 1600.2,3697.61 ccw(c1698.62,3697.61) 1698.62,3599.18 4447.47,3599.18 ccw(c4447.47,3697.61) 4545.9,3697.61 4545.9,5923.59 cw(c4644.32,5923.59) 4644.32,6022.01 4867.91,6022.01 cw(c4867.91,5923.59) 4966.34,5923.59 4966.34,3503 cw(c4867.91,3503.01) 4937.51,3433.41 4740.14,3236.04 ccw(c4809.74,3166.44) 4711.32,3166.44 4711.32,1433.83 1323.72,1433.83
+5 on 5V "+5_L02_P014" (solid, pour order 14): 1323.72,3166.44 ccw(c1225.3,3166.44) 1294.9,3236.04 1097.53,3433.41 cw(c1167.13,3503.01) 1068.7,3503 1068.7,5923.59 cw(c1167.13,5923.59) 1167.13,6022.01 1344.29,6122.3 1954.53,6122.3 cw(c1954.53,6023.87) 2052.95,6023.87 2052.95,5945.13 cw(c1954.53,5945.13) 1954.53,5846.71 1698.62,5846.71 ccw(c1698.62,5748.28) 1600.2,5748.28 1600.2,3697.61 ccw(c1698.62,3697.61) 1698.62,3599.18 4447.47,3599.18 ccw(c4447.47,3697.61) 4545.9,3697.61 4545.9,5923.59 cw(c4644.32,5923.59) 4644.32,6022.01 4867.91,6022.01 cw(c4867.91,5923.59) 4966.34,5923.59 4966.34,3503 cw(c4867.91,3503.01) 4937.51,3433.41 4740.14,3236.04 ccw(c4809.74,3166.44) 4711.32,3166.44 4711.32,1433.83 1323.72,1433.83
GND on Top Layer "GND_L01_P015" (solid, pour order 15): 1323.72,3166.44 ccw(c1225.3,3166.44) 1294.9,3236.04 1097.53,3433.41 cw(c1167.13,3503.01) 1068.7,3503 1068.7,5923.59 cw(c1167.13,5923.59) 1167.13,6022.01 1344.29,6122.3 1954.53,6122.3 cw(c1954.53,6023.87) 2052.95,6023.87 2052.95,5945.13 cw(c1954.53,5945.13) 1954.53,5846.71 1698.62,5846.71 ccw(c1698.62,5748.28) 1600.2,5748.28 1600.2,3697.61 ccw(c1698.62,3697.61) 1698.62,3599.18 4447.47,3599.18 ccw(c4447.47,3697.61) 4545.9,3697.61 4545.9,5923.59 cw(c4644.32,5923.59) 4644.32,6022.01 4867.91,6022.01 cw(c4867.91,5923.59) 4966.34,5923.59 4966.34,3503 cw(c4867.91,3503.01) 4937.51,3433.41 4740.14,3236.04 ccw(c4809.74,3166.44) 4711.32,3166.44 4711.32,1433.83 1323.72,1433.83

## Silkscreen, mask and mechanical layers (free items; w line width, h text height)
Top Overlay:
  drawing of 527 lines, arcs and shapes, not listed
  text "A Big Crete Production" at 4706.62,3822 h80 r90
Mechanical 1:
  drawing of 156 lines, arcs and shapes, not listed

## Text inside footprints (layer, text, board x,y; h text height)
U1: Bottom Overlay "*" at 2234.12,2034.66 h50; Mechanical 13 "*" at 2190.37,1986.66 h50